# Altium PCB BTF16_2 (2).PcbDoc (part 3 of 4)
Units mm, origin at the board's own origin, x right, y up, seen from the top; angles counter-clockwise.
Board outline 150 x 212.5 mm, 4 copper layers (L1, L2, L3, L4), stack 1.606 mm thick; 313 components, 136 nets, 1767 pads, 1746 vias.
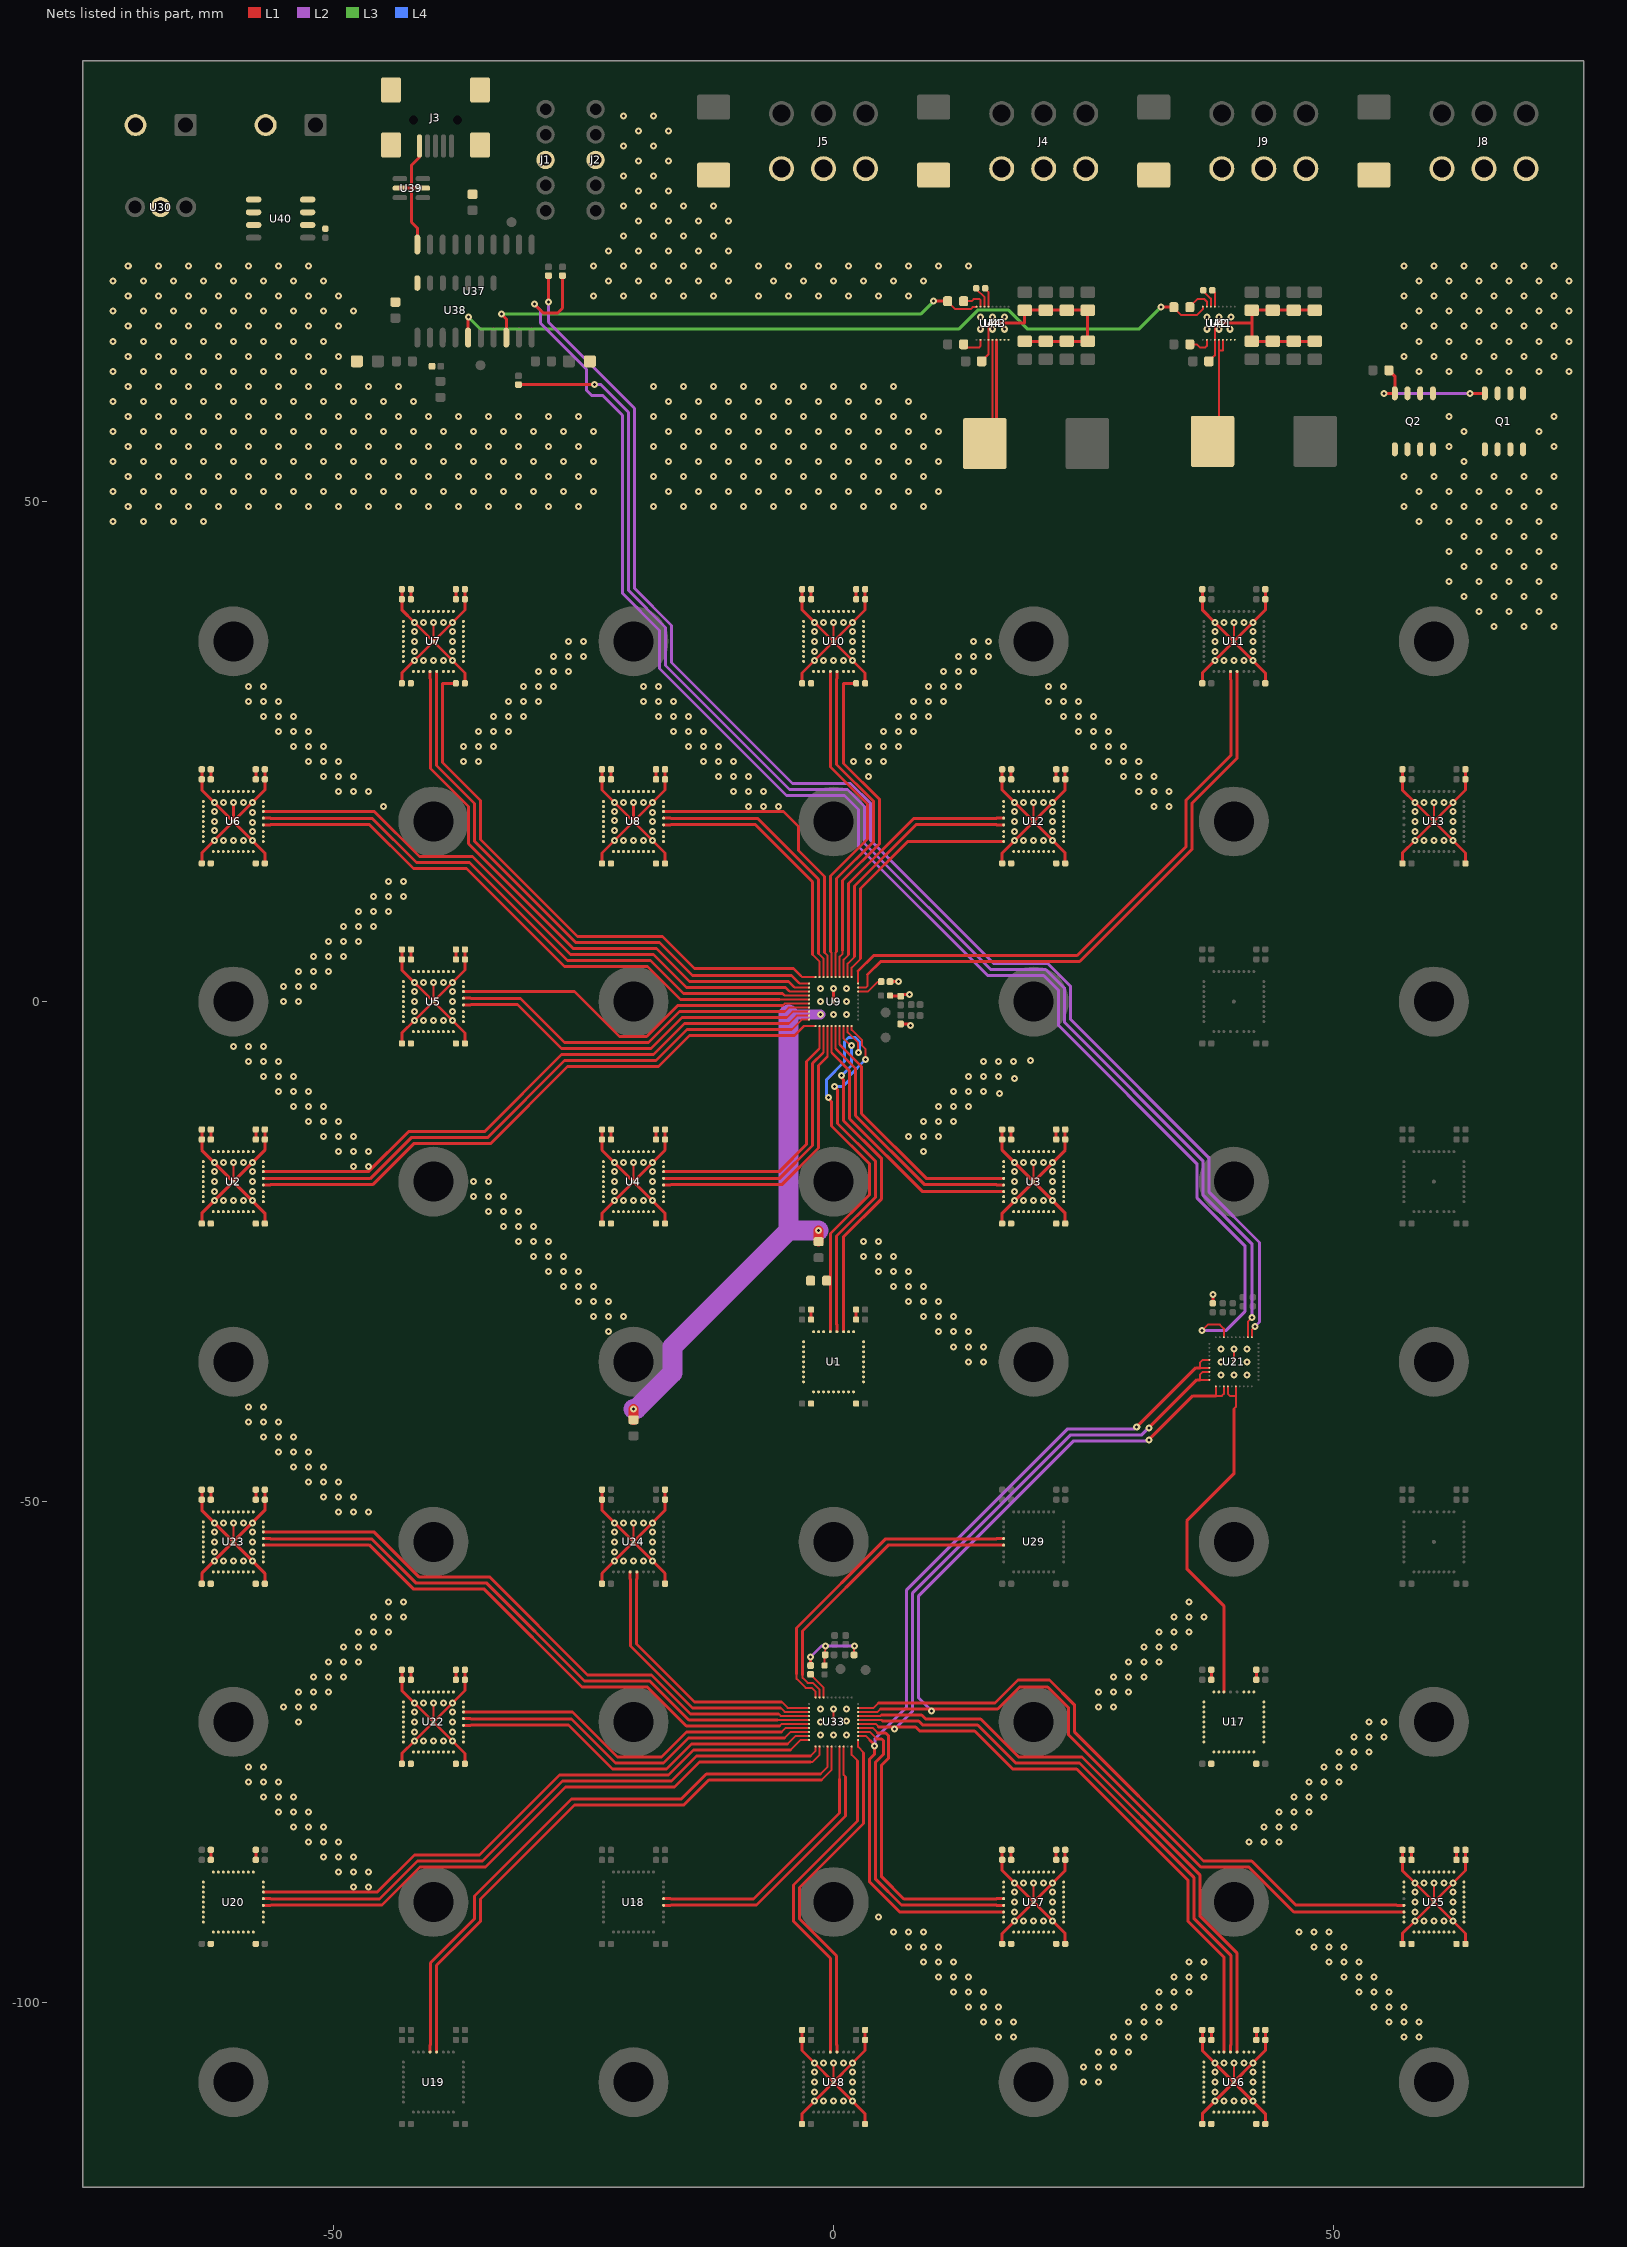
[diagram p5: the nets of this part, all layers, seen from the top]

## Via types
v1: diameter 0.7/0.7/0.7/0.7 (per signal layer), hole 0.3, L1 to L4, 1746 vias

## Nets (pads, with @x,y where several pads share a name; then routed paths per layer and width w, separated by ;. In a path a pad name is that pad's centre, name@x,y a point inside that pad or via, vN(x,y) a via of type N, cw(c..) or ccw(c..) an arc to the next point about the centre after c; other vN are vias at no path point) (continued)
$1I75\BF_CLK6: U26.22 U33.7 | length 60.1
  L1 w0.2: U33.7@2.45,-71.4 4.7,-71.4 4.8,-71.3
  L1 w0.3: 4.8,-71.3 8.8,-71.3 9.2,-71.7 14.7,-71.7 18.5,-75.5 24.824,-75.5 36.6,-87.276 36.6,-91.376 40.3,-95.075 40.3,-104.266 40.333,-104.3 U26.22@40.333,-105
$1I75\BF_CLK7: U27.22 U33.4 | length 30.9
  L1 w0.2: U33.4@2.45,-72.6 3.9,-72.6 4.4,-73.1
  L1 w0.3: 4.4,-73.1 5.2,-73.1 5.5,-73.4 5.5,-75.6 4.8,-76.3 4.8,-87.476 7.025,-89.701 16.267,-89.701 16.3,-89.667 U27.22@17,-89.667
$1I75\BF_CLK8: U28.22 U33.1 | length 35.6
  L1 w0.2: U33.1@2.45,-73.8 2.45,-74.5 3,-75.1
  L1 w0.3: U28.22@0.333,-105 0.333,-104.3 0.3,-104.266 0.3,-95.375 -3.4,-91.676 -3.4,-88.556 3,-82.156 3,-75.1
$1I75\BF_CLK9: U18.22 U33.38 | length 28.9
  L1 w0.2: U33.38@1,-74.45 1,-77.3 1.2,-77.5
  L1 w0.3: U18.22@-17,-90.333 -16.3,-90.333 -16.267,-90.3 -7.699,-90.3 1.2,-81.4 1.2,-77.5
$1I75\BF_CLK10: U19.22 U33.35 | length 59.9
  L1 w0.2: -1.2,-77.8 -0.2,-76.8 U33.35@-0.2,-74.45
  L1 w0.3: U19.22@-39.667,-105 -39.667,-104.3 -39.7,-104.266 -39.7,-96.325 -35.3,-91.924 -35.3,-89.7 -25.9,-80.3 -14.976,-80.3 -12.476,-77.8 -1.2,-77.8
$1I75\BF_CLK11: U20.22 U33.32 | length 62.7
  L1 w0.2: -2.3,-76 -2.1,-76 -1.4,-75.3 U33.32@-1.4,-74.45
  L1 w0.3: U20.22@-57,-90.333 -56.275,-90.333 -56.242,-90.3 -45.144,-90.3 -41.344,-86.5 -34.8,-86.5 -26.8,-78.5 -15.9,-78.5 -13.4,-76 -2.3,-76
$1I75\BF_CLK12: U22.22 U33.29 | length 37.8
  L1 w0.2: -4.6,-74.2 -3.8,-73.4 U33.29@-2.45,-73.4
  L1 w0.3: U22.22@-37,-72.333 -36.3,-72.333 -36.266,-72.299 -26.5,-72.299 -22.099,-76.7 -16.7,-76.7 -14.2,-74.2 -4.6,-74.2
$1I75\BF_CLK13: U23.22 U33.26 | length 62.1
  L1 w0.2: -5.4,-72.4 -5.2,-72.2 U33.26@-2.45,-72.2
  L1 w0.3: U23.22@-57,-54.333 -56.3,-54.333 -56.266,-54.3 -46.425,-54.3 -42.024,-58.7 -34.956,-58.7 -25.156,-68.5 -18.624,-68.5 -14.724,-72.4 -5.4,-72.4
$1I75\BF_CLK14: U24.22 U33.23 | length 28
  L1 w0.2: -5.3,-70.6 -4.9,-71 U33.23@-2.45,-71
  L1 w0.3: U24.22@-20.333,-57 -20.333,-57.7 -20.299,-57.734 -20.299,-64.401 -14.1,-70.6 -5.3,-70.6
$1I75\BF_CLK15: U29.22 U33.20 | length 32.5
  L1 w0.2: -3.7,-67.2 -3.7,-67.7 -2.8,-68.6 -2.2,-68.6 -1.8,-69 U33.20@-1.8,-69.55
  L1 w0.3: -3.7,-67.2 -3.7,-62.6 5.2,-53.7 16.267,-53.7 16.3,-53.667 U29.22@17,-53.667
$1I75\BF_DAT5: U25.23 U33.9 | length 66.6
  L1 w0.2: U33.9@2.45,-70.6 4,-70.6 4.5,-70.1
  L1 w0.3: 4.5,-70.1 16.124,-70.1 18.424,-67.8 21.576,-67.8 24.1,-70.324 24.1,-73.024 36.976,-85.9 41.791,-85.9 46.192,-90.301 56.267,-90.301 56.3,-90.334 U25.23@57,-90.334
$1I75\BF_DAT6: U26.23 U33.6 | length 59.1
  L1 w0.2: U33.6@2.45,-71.8 4.8,-71.8 4.9,-71.9
  L1 w0.3: 4.9,-71.9 8.5,-71.9 8.9,-72.3 14.4,-72.3 18.2,-76.1 24.576,-76.1 36,-87.524 36,-91.624 39.7,-95.324 39.7,-104.266 39.666,-104.3 U26.23@39.666,-105
$1I75\BF_DAT7: U27.23 U33.3 | length 31
  L1 w0.2: U33.3@2.45,-73 3.6,-73 4.3,-73.7
  L1 w0.3: 4.3,-73.7 4.8,-73.7 5,-73.9 5,-75.2 4.2,-76 4.2,-87.724 6.776,-90.301 16.267,-90.301 16.3,-90.334 U27.23@17,-90.334
$1I75\BF_DAT8: U28.23 U33.40 | length 35
  L1 w0.2: U33.40@1.8,-74.45 1.8,-75.3 2.4,-75.9
  L1 w0.3: U28.23@-0.334,-105 -0.334,-104.3 -0.3,-104.266 -0.3,-95.624 -4,-91.924 -4,-88.307 2.4,-81.907 2.4,-75.9
$1I75\BF_DAT9: U18.23 U33.37 | length 27.8
  L1 w0.2: 0.6,-77.7 U33.37@0.6,-74.45
  L1 w0.3: U18.23@-17,-89.666 -16.3,-89.666 -16.267,-89.7 -7.999,-89.7 0.6,-81.1 0.6,-77.7
$1I75\BF_DAT10: U19.23 U33.34 | length 60.1
  L1 w0.2: -1.3,-77.2 -0.6,-76.5 U33.34@-0.6,-74.45
  L1 w0.3: U19.23@-40.334,-105 -40.334,-104.3 -40.3,-104.266 -40.3,-96.076 -35.9,-91.676 -35.9,-89.4 -26.2,-79.7 -15.224,-79.7 -12.724,-77.2 -1.3,-77.2
$1I75\BF_DAT11: U20.23 U33.31 | length 61.8
  L1 w0.2: -2.3,-75.4 -1.8,-74.9 U33.31@-1.8,-74.45
  L1 w0.3: U20.23@-57,-89.666 -56.275,-89.666 -56.242,-89.7 -45.392,-89.7 -41.593,-85.9 -35.1,-85.9 -27.1,-77.9 -16.2,-77.9 -13.7,-75.4 -2.3,-75.4
$1I75\BF_DAT12: U22.23 U33.28 | length 37.7
  L1 w0.2: -4.9,-73.6 -4.3,-73 U33.28@-2.45,-73
  L1 w0.3: U22.23@-37,-71.666 -36.3,-71.666 -36.266,-71.7 -26.2,-71.7 -21.799,-76.1 -17,-76.1 -14.5,-73.6 -4.9,-73.6
$1I75\BF_DAT13: U23.23 U33.25 | length 62.1
  L1 w0.2: -5.6,-71.8 U33.25@-2.45,-71.8
  L1 w0.3: U23.23@-57,-53.666 -56.3,-53.666 -56.266,-53.7 -46.176,-53.7 -41.776,-58.1 -34.707,-58.1 -24.907,-67.9 -18.376,-67.9 -14.476,-71.8 -5.6,-71.8
$1I75\BF_DAT14: U24.23 U33.22 | length 27.1
  L1 w0.2: -5.2,-70 -4.6,-70.6 U33.22@-2.45,-70.6
  L1 w0.3: U24.23@-19.666,-57 -19.666,-57.7 -19.699,-57.734 -19.699,-64.201 -13.9,-70 -5.2,-70
$1I75\BF_DAT15: U29.23 U33.19 | length 31.3
  L1 w0.2: -3.1,-67.3 -3.1,-67.6 -2.6,-68.1 -2.1,-68.1 -1.4,-68.8 U33.19@-1.4,-69.55
  L1 w0.3: -3.1,-67.3 -3.1,-62.9 5.5,-54.301 16.267,-54.301 16.3,-54.334 U29.23@17,-54.334
$1I75\PWR12: C105.1 C106.1 C107.1 C111.2 C112.2 C113.2 C121.1 C122.1 C123.1 C124.2 C125.2 C126.2 U20.1 U20.2 U20.3 U20.4 U20.5 U20.6 U20.7 U20.8 U20.9 U20.10 U20.11 U20.12 U20.13 U20.14 U20.15 U20.16 U20.17 U20.18 U20.19 U20.20 U20.21 U20.24 U20.25 U20.26 U20.27 U20.28 U20.29 U20.30 U20.31 U20.32 U20.33 U20.34 U20.35 U22.36 U33.30 | length 88.8
  L1 w0.2: U22.36@-40,-72 v1(-40,-70.1) ; -4.3,-74.8 -3.3,-73.8 U33.30@-2.45,-73.8
  L1 w0.3: U20.24@-57,-89 -45.6,-89 -41.9,-85.3 -35.4,-85.3 -27.4,-77.3 -16.5,-77.3 -14,-74.8 -4.3,-74.8 ; C111.2@-43.151,-76.184 -43.151,-75.151 v1(-41.9,-73.9) U22.36@-40,-72 ; C112.2@-43.151,-66.784 C125.2@-43.151,-67.784 -43.151,-68.849 U22.36@-40,-72 ; C126.2@-36.851,-76.184 -36.851,-75.149 U22.36@-40,-72 ; C113.2@-36.851,-66.784 -36.851,-68.851 v1(-38.1,-70.1) U22.36@-40,-72
  L1 w0.305: C122.1@-62.251,-85.784 C106.1@-62.251,-84.784 ; C121.1@-57.751,-85.784 C107.1@-57.751,-84.784
  other v1: -48,-88.5 -46.5,-88.5 -49.5,-87 -48,-87 -46.5,-87 -51,-85.5 -49.5,-85.5 -48,-85.5 -52.5,-84 -51,-84 -49.5,-84 -54,-82.5 -52.5,-82.5 -51,-82.5 -55.5,-81 -54,-81 -52.5,-81 -57,-79.5 -55.5,-79.5 -54,-79.5 -58.5,-78 -57,-78 -55.5,-78 -58.5,-76.5 -57,-76.5 -41,-73.9 -40,-73.9 -39,-73.9 -38.1,-73.9 -41.9,-73 -38.1,-73 -41.9,-72 -38.1,-72 -41.9,-71 -38.1,-71 -41.9,-70.1 -41,-70.1 -39,-70.1
$1I75\PWR13: C111.1 C112.1 C113.1 C124.1 C125.1 C126.1 C127.2 C128.2 C129.2 C136.2 C137.2 C138.2 U22.1 U22.2 U22.3 U22.4 U22.5 U22.6 U22.7 U22.8 U22.9 U22.10 U22.11 U22.12 U22.13 U22.14 U22.15 U22.16 U22.17 U22.18 U22.19 U22.20 U22.21 U22.24 U22.25 U22.26 U22.27 U22.28 U22.29 U22.30 U22.31 U22.32 U22.33 U22.34 U22.35 U23.36 U33.27 | length 65.5
  L1 w0.2: U23.36@-60,-54 v1(-60,-52.1) ; -5.2,-73 -4.8,-72.6 U33.27@-2.45,-72.6
  L1 w0.3: C127.2@-63.151,-58.184 -63.151,-57.151 v1(-61.9,-55.9) U23.36@-60,-54 ; C128.2@-63.151,-48.784 C137.2@-63.151,-49.784 -63.151,-50.849 U23.36@-60,-54 ; C138.2@-56.851,-58.184 -56.851,-57.149 U23.36@-60,-54 ; C129.2@-56.851,-48.784 C136.2@-56.851,-49.784 -56.851,-50.851 v1(-58.1,-52.1) U23.36@-60,-54 ; U22.24@-37,-71 -26.1,-71 -21.6,-75.5 -17.2,-75.5 -14.7,-73 -5.2,-73
  L1 w0.305: C125.1@-42.251,-67.784 C112.1@-42.251,-66.784 ; C124.1@-37.751,-67.784 C113.1@-37.751,-66.784
  other v1: -53.5,-72 -55,-70.5 -53.5,-70.5 -52,-70.5 -53.5,-69 -52,-69 -50.5,-69 -52,-67.5 -50.5,-67.5 -49,-67.5 -50.5,-66 -49,-66 -47.5,-66 -49,-64.5 -47.5,-64.5 -46,-64.5 -47.5,-63 -46,-63 -44.5,-63 -46,-61.5 -44.5,-61.5 -43,-61.5 -44.5,-60 -43,-60 -61,-55.9 -60,-55.9 -59,-55.9 -58.1,-55.9 -61.9,-55 -58.1,-55 -61.9,-54 -58.1,-54 -61.9,-53 -58.1,-53 -61.9,-52.1 -61,-52.1 -59,-52.1
$1I75\PWR14: C127.1 C128.1 C129.1 C130.2 C131.2 C132.2 C136.1 C137.1 C138.1 C163.2 C164.2 C165.2 U23.1 U23.2 U23.3 U23.4 U23.5 U23.6 U23.7 U23.8 U23.9 U23.10 U23.11 U23.12 U23.13 U23.14 U23.15 U23.16 U23.17 U23.18 U23.19 U23.20 U23.21 U23.24 U23.25 U23.26 U23.27 U23.28 U23.29 U23.30 U23.31 U23.32 U23.33 U23.34 U23.35 U24.36 U33.24 | length 90.1
  L1 w0.2: U24.36@-20,-54 v1(-20,-52.1) ; -5.5,-71.2 -5.3,-71.4 U33.24@-2.45,-71.4
  L1 w0.3: U23.24@-57,-53 -45.953,-53 -41.453,-57.5 -34.4,-57.5 -24.6,-67.3 -18.2,-67.3 -14.3,-71.2 -5.5,-71.2 ; C130.2@-23.151,-58.184 -23.151,-57.151 v1(-21.9,-55.9) U24.36@-20,-54 ; C131.2@-23.151,-48.784 -23.151,-50.849 v1(-21.9,-52.1) U24.36@-20,-54 ; C165.2@-16.851,-58.184 -16.851,-57.149 v1(-18.1,-55.9) U24.36@-20,-54 ; C132.2@-16.851,-48.784 C163.2@-16.851,-49.784 -16.851,-50.851 v1(-18.1,-52.1) U24.36@-20,-54
  L1 w0.305: C137.1@-62.251,-49.784 C128.1@-62.251,-48.784 ; C136.1@-57.751,-49.784 C129.1@-57.751,-48.784
  other v1: -21,-55.9 -20,-55.9 -19,-55.9 -21.9,-55 -18.1,-55 -21.9,-54 -18.1,-54 -21.9,-53 -18.1,-53 -21,-52.1 -19,-52.1 -49.5,-51 -48,-51 -46.5,-51 -51,-49.5 -49.5,-49.5 -48,-49.5 -52.5,-48 -51,-48 -49.5,-48 -54,-46.5 -52.5,-46.5 -51,-46.5 -55.5,-45 -54,-45 -52.5,-45 -57,-43.5 -55.5,-43.5 -54,-43.5 -58.5,-42 -57,-42 -55.5,-42 -58.5,-40.5 -57,-40.5
$1I80\BF_CLK16: U1.22 U9.10 | length 36.2
  L1 w0.2: U9.10@1.8,-2.45 1.8,-2.825 2.85,-3.875 2.85,-4.4 3.2,-4.75 v1(3.2,-5.8)
  L1 w0.3: v1(0.1,-8.5) 0.4,-8.8 0.4,-12.176 4.2,-15.976 4.2,-19.524 0.3,-23.425 0.3,-32.267 0.333,-32.3 U1.22@0.333,-33
  L4 w0.3: v1(0.1,-8.5) 0.9,-8.5 1.6,-7.8 1.6,-7.4 v1(3.2,-5.8)
$1I80\BF_CLK17: U3.22 U9.7 | length 26.6
  L1 w0.2: U9.7@0.6,-2.45 0.6,-4.3 0.7,-4.4
  L1 w0.3: 0.7,-4.4 2.8,-6.5 2.8,-11.2 9.3,-17.701 16.267,-17.701 16.3,-17.667 U3.22@17,-17.667
$1I80\BF_CLK18: U4.22 U9.4 | length 29.6
  L1 w0.2: -0.7,-5.6 -0.6,-5.5 U9.4@-0.6,-2.45
  L1 w0.3: U4.22@-17,-18.333 -16.3,-18.333 -16.267,-18.3 -5.175,-18.3 -1.5,-14.624 -1.5,-6.4 -0.7,-5.6
$1I80\BF_CLK19: U2.22 U9.1 | length 61.8
  L1 w0.2: -3,-2.5 -2.95,-2.45 U9.1@-1.8,-2.45
  L1 w0.3: U2.22@-57,-18.333 -56.3,-18.333 -56.266,-18.3 -46.075,-18.3 -41.976,-14.2 -34.3,-14.2 -26.6,-6.5 -17.5,-6.5 -14.4,-3.4 -3.9,-3.4 -3,-2.5
$1I80\BF_CLK20: U5.22 U9.38 | length 37.9
  L1 w0.2: -4.7,-1.6 -4.1,-1 U9.38@-2.45,-1
  L1 w0.3: U5.22@-37,-0.333 -36.3,-0.333 -36.266,-0.3 -31.6,-0.3 -27.2,-4.7 -18.25,-4.7 -15.15,-1.6 -4.7,-1.6
$1I80\BF_CLK21: U6.22 U9.35 | length 61.8
  L1 w0.2: -5.4,0.2 U9.35@-2.45,0.2
  L1 w0.3: U6.22@-57,17.667 -56.3,17.667 -56.266,17.7 -46.4,17.7 -42,13.3 -36.7,13.3 -26.9,3.5 -18.6,3.5 -15.3,0.2 -5.4,0.2
$1I80\BF_CLK22: U7.22 U9.32 | length 58.8
  L1 w0.2: -4,1.5 -3.9,1.4 U9.32@-2.45,1.4
  L1 w0.3: U7.22@-40.333,33 -40.333,32.3 -40.3,32.266 -40.3,23.299 -36.5,19.5 -36.5,15.776 -26.024,5.3 -17.7,5.3 -14.4,2 -4.5,2 -4,1.5
$1I80\BF_CLK23: U8.22 U9.29 | length 27.1
  L1 w0.2: -2.1,4.7 -1.4,4 U9.29@-1.4,2.45
  L1 w0.3: U8.22@-17,17.667 -16.3,17.667 -16.267,17.7 -7.825,17.7 -2.1,11.976 -2.1,4.7
$1I80\BF_CLK24: U9.26 U10.22 | length 33.7
  L1 w0.2: -0.3,5 -0.2,4.9 U9.26@-0.2,2.45
  L1 w0.3: U10.22@-0.333,33 -0.333,32.3 -0.299,32.266 -0.299,23.451 3.4,19.752 3.4,16.249 -0.3,12.549 -0.3,5
$1I80\BF_CLK25: U9.23 U12.22 | length 27.8
  L1 w0.2: U9.23@1,2.45 1,4.2 1.5,4.7
  L1 w0.3: 1.5,4.7 1.5,11.8 8,18.299 16.267,18.299 16.3,18.333 U12.22@17,18.333
$1I80\BF_CLK26: U9.20 U11.22 | length 58.6
  L1 w0.2: U9.20@2.45,1.8 2.45,3.05
  L1 w0.3: 2.45,3.05 4,4.6 24.351,4.6 35.2,15.449 35.2,20.1 39.7,24.6 39.7,32.166 39.667,32.2 U11.22@39.667,33
$1I80\BF_DAT16: R23.1 U1.23 U9.9 | length 39.6
  L1 w0.2: U9.9@1.4,-2.45 1.4,-3.078 2.45,-4.128 2.45,-5.05 v1(2.5,-5.1)
  L1 w0.3: R23.1@-0.7,-27.9 R23.1@-0.3,-27.9 ; v1(-0.5,-9.6) -0.5,-9.7 -0.2,-10 -0.2,-12.424 3.6,-16.224 3.6,-19.276 -0.3,-23.176 R23.1@-0.3,-27.9 ; U1.23@-0.334,-33 -0.334,-32.3 -0.3,-32.267 R23.1@-0.3,-27.9
  L4 w0.3: v1(-0.5,-9.6) -0.7,-9.4 -0.7,-7.8 1.1,-6 1.1,-4 1.5,-3.6 2.2,-3.6 2.6,-4 2.6,-5.012 2.512,-5.1 v1(2.5,-5.1)
$1I80\BF_DAT17: U3.23 U9.6 | length 27.5
  L1 w0.2: U9.6@0.2,-2.45 0.2,-4.7 0.3,-4.8
  L1 w0.3: 0.3,-4.8 2.2,-6.7 2.2,-11.4 9.1,-18.301 16.267,-18.301 16.3,-18.334 U3.23@17,-18.334
$1I80\BF_DAT18: U4.23 U9.3 | length 28.7
  L1 w0.2: -1.112,-5.188 -1,-5.076 U9.3@-1,-2.45
  L1 w0.3: U4.23@-17,-17.666 -16.3,-17.666 -16.267,-17.699 -5.424,-17.699 -2.1,-14.376 -2.1,-6.176 -1.112,-5.188
$1I80\BF_DAT19: U2.23 U9.40 | length 61.1
  L1 w0.2: -4.2,-2.8 -3.2,-1.8 U9.40@-2.45,-1.8
  L1 w0.3: U2.23@-57,-17.666 -56.3,-17.666 -56.266,-17.699 -46.324,-17.699 -42.224,-13.6 -34.6,-13.6 -26.9,-5.9 -17.749,-5.9 -14.649,-2.8 -4.2,-2.8
$1I80\BF_DAT20: U5.23 U9.37 | length 37.8
  L1 w0.2: -4.9,-1 -4.5,-0.6 U9.37@-2.45,-0.6
  L1 w0.3: U5.23@-37,0.334 -36.3,0.334 -36.266,0.3 -31.3,0.3 -26.9,-4.1 -18.499,-4.1 -15.399,-1 -4.9,-1
$1I80\BF_DAT21: U6.23 U9.34 | length 61.9
  L1 w0.2: -5,0.7 -4.9,0.6 U9.34@-2.45,0.6
  L1 w0.3: U6.23@-57,18.334 -56.3,18.334 -56.266,18.3 -46.1,18.3 -41.7,13.9 -36.4,13.9 -26.6,4.1 -18.3,4.1 -15,0.8 -5.1,0.8 -5,0.7
$1I80\BF_DAT22: U7.23 U9.31 | length 57.9
  L1 w0.2: -3.5,1.9 -3.4,1.8 U9.31@-2.45,1.8
  L1 w0.3: U7.23@-39.666,33 -39.666,32.3 -39.699,32.266 -39.699,23.599 -35.9,19.8 -35.9,16.024 -25.776,5.9 -17.4,5.9 -14.1,2.6 -4.2,2.6 -3.5,1.9
$1I80\BF_DAT23: U8.23 U9.28 | length 28
  L1 w0.2: -1.5,4.8 -1,4.3 U9.28@-1,2.45
  L1 w0.3: U8.23@-17,18.334 -16.3,18.334 -16.267,18.3 -7.576,18.3 -1.5,12.224 -1.5,4.8
$1I80\BF_DAT24: U9.25 U10.23 | length 33.7
  L1 w0.2: U9.25@0.2,2.45 0.2,4.9 0.3,5
  L1 w0.3: 0.3,5 0.3,12.3 4,16 4,20 0.3,23.7 0.3,32.266 0.334,32.3 U10.23@0.334,33
$1I80\BF_DAT25: U9.22 U12.23 | length 26.9
  L1 w0.2: U9.22@1.4,2.45 1.4,3.8 2.1,4.5
  L1 w0.3: 2.1,4.5 2.1,11.551 8.248,17.699 16.267,17.699 16.3,17.666 U12.23@17,17.666
$1I80\BF_DAT26: U9.19 U11.23 | length 59.4
  L1 w0.2: U9.19@2.45,1.4 3.2,1.4 3.4,1.6 3.4,2.7
  L1 w0.3: 3.4,2.7 4.7,4 24.6,4 35.8,15.2 35.8,19.8 40.301,24.301 40.301,32.166 40.334,32.2 U11.23@40.334,33
$1I80\PWR17: C1.1 C2.1 C3.1 C4.2 C5.2 C6.2 C13.1 C14.1 C15.1 C16.2 C17.2 C18.2 R23.2 U1.1 U1.2 U1.3 U1.4 U1.5 U1.6 U1.7 U1.8 U1.9 U1.10 U1.11 U1.12 U1.13 U1.14 U1.15 U1.16 U1.17 U1.18 U1.19 U1.20 U1.21 U1.24 U1.25 U1.26 U1.27 U1.28 U1.29 U1.30 U1.31 U1.32 U1.33 U1.34 U1.35 U3.36 U9.8 | length 62.5
  L1 w0.2: U9.8@1,-2.45 1,-3.7 1.7,-4.4 v1(1.8,-4.4) ; U3.36@20,-18 v1(20,-16.1)
  L1 w0.3: C14.1@-2.251,-31.784 C2.1@-2.251,-30.784 ; v1(0.8,-7.4) 0.8,-7.6 1,-7.8 1,-11.9 4.8,-15.7 4.8,-19.7 1,-23.5 U1.21@1,-33 ; C13.1@2.249,-31.784 C3.1@2.249,-30.784 ; C4.2@16.849,-22.184 16.849,-21.151 v1(18.1,-19.9) U3.36@20,-18 ; C5.2@16.849,-12.784 C17.2@16.849,-13.784 16.849,-14.849 v1(18.1,-16.1) U3.36@20,-18 ; C18.2@23.149,-22.184 23.149,-21.149 v1(21.9,-19.9) U3.36@20,-18 ; C6.2@23.149,-12.784 C16.2@23.149,-13.784 23.149,-14.851 v1(21.9,-16.1) U3.36@20,-18
  L4 w0.3: v1(0.8,-7.4) 1.8,-6.4 v1(1.8,-4.4)
  other v1: 13.5,-36 15,-36 12,-34.5 13.5,-34.5 15,-34.5 10.5,-33 12,-33 13.5,-33 9,-31.5 10.5,-31.5 12,-31.5 7.5,-30 9,-30 10.5,-30 6,-28.5 7.5,-28.5 9,-28.5 4.5,-27 6,-27 7.5,-27 3,-25.5 4.5,-25.5 6,-25.5 3,-24 4.5,-24 19,-19.9 20,-19.9 21,-19.9 18.1,-19 21.9,-19 18.1,-18 21.9,-18 18.1,-17 21.9,-17 19,-16.1 21,-16.1
$1I80\PWR18: C4.1 C5.1 C6.1 C7.2 C8.2 C9.2 C16.1 C17.1 C18.1 C19.2 C20.2 C21.2 U3.1 U3.2 U3.3 U3.4 U3.5 U3.6 U3.7 U3.8 U3.9 U3.10 U3.11 U3.12 U3.13 U3.14 U3.15 U3.16 U3.17 U3.18 U3.19 U3.20 U3.21 U3.24 U3.25 U3.26 U3.27 U3.28 U3.29 U3.30 U3.31 U3.32 U3.33 U3.34 U3.35 U4.36 U9.5 | length 56.3
  L1 w0.2: U4.36@-20,-18 v1(-20,-16.1) ; U9.5@-0.2,-2.45 -0.2,-5.1 -0.1,-5.2
  L1 w0.3: C7.2@-23.151,-22.184 -23.151,-21.151 v1(-21.9,-19.9) U4.36@-20,-18 ; C8.2@-23.151,-12.784 -23.151,-14.849 v1(-21.9,-16.1) U4.36@-20,-18 ; C21.2@-16.851,-22.184 -16.851,-21.149 v1(-18.1,-19.9) U4.36@-20,-18 ; C9.2@-16.851,-12.784 C19.2@-16.851,-13.784 -16.851,-14.851 v1(-18.1,-16.1) U4.36@-20,-18 ; -0.1,-5.2 1.6,-6.9 1.6,-11.7 8.9,-19 U3.24@17,-19
  L1 w0.305: C17.1@17.749,-13.784 C5.1@17.749,-12.784 ; C16.1@22.249,-13.784 C6.1@22.249,-12.784
  other v1: -21,-19.9 -20,-19.9 -19,-19.9 -21.9,-19 -18.1,-19 -21.9,-18 -18.1,-18 -21.9,-17 -18.1,-17 -21,-16.1 -19,-16.1 9,-15 7.5,-13.5 9,-13.5 10.5,-13.5 9,-12 10.5,-12 12,-12 10.5,-10.5 12,-10.5 13.5,-10.5 16.6,-9.2 12,-9 13.5,-9 15,-9 18.1,-7.7 13.5,-7.5 15,-7.5 16.5,-7.5 15,-6 16.5,-6 18,-6 19.7,-5.9
$1I80\PWR19: C7.1 C8.1 C9.1 C10.2 C11.2 C12.2 C19.1 C20.1 C21.1 C22.2 C23.2 C24.2 U2.36 U4.1 U4.2 U4.3 U4.4 U4.5 U4.6 U4.7 U4.8 U4.9 U4.10 U4.11 U4.12 U4.13 U4.14 U4.15 U4.16 U4.17 U4.18 U4.19 U4.20 U4.21 U4.24 U4.25 U4.26 U4.27 U4.28 U4.29 U4.30 U4.31 U4.32 U4.33 U4.34 U4.35 U9.2 | length 55.7
  L1 w0.2: U2.36@-60,-18 v1(-60,-16.1) ; -1.507,-4.793 -1.4,-4.685 U9.2@-1.4,-2.45
  L1 w0.3: C10.2@-63.151,-22.184 -63.151,-21.151 v1(-61.9,-19.9) U2.36@-60,-18 ; C11.2@-63.151,-12.784 C23.2@-63.151,-13.784 -63.151,-14.849 v1(-61.9,-16.1) U2.36@-60,-18 ; C24.2@-56.851,-22.184 -56.851,-21.149 v1(-58.1,-19.9) U2.36@-60,-18 ; C12.2@-56.851,-12.784 C22.2@-56.851,-13.784 -56.851,-14.851 v1(-58.1,-16.1) U2.36@-60,-18 ; U4.24@-17,-17 -5.431,-17 -2.7,-14.269 -2.7,-5.985 -1.507,-4.793
  L1 w0.305: C20.1@-22.251,-13.784 C8.1@-22.251,-12.784 ; C19.1@-17.751,-13.784 C9.1@-17.751,-12.784
  other v1: -22.5,-33 -24,-31.5 -22.5,-31.5 -21,-31.5 -25.5,-30 -24,-30 -22.5,-30 -27,-28.5 -25.5,-28.5 -24,-28.5 -28.5,-27 -27,-27 -25.5,-27 -30,-25.5 -28.5,-25.5 -27,-25.5 -31.5,-24 -30,-24 -28.5,-24 -33,-22.5 -31.5,-22.5 -30,-22.5 -34.5,-21 -33,-21 -31.5,-21 -61,-19.9 -60,-19.9 -59,-19.9 -36,-19.5 -34.5,-19.5 -33,-19.5 -61.9,-19 -58.1,-19 -61.9,-18 -58.1,-18 -36,-18 -34.5,-18 -61.9,-17 -58.1,-17 -61,-16.1 -59,-16.1
$1I80\PWR20: C10.1 C11.1 C12.1 C22.1 C23.1 C24.1 C25.2 C26.2 C27.2 C37.2 C38.2 C39.2 U2.1 U2.2 U2.3 U2.4 U2.5 U2.6 U2.7 U2.8 U2.9 U2.10 U2.11 U2.12 U2.13 U2.14 U2.15 U2.16 U2.17 U2.18 U2.19 U2.20 U2.21 U2.24 U2.25 U2.26 U2.27 U2.28 U2.29 U2.30 U2.31 U2.32 U2.33 U2.34 U2.35 U5.36 U9.39 | length 88.9
  L1 w0.2: U5.36@-40,0 v1(-40,1.9) ; -4.5,-2.2 -3.7,-1.4 U9.39@-2.45,-1.4